# KiCad board FlightComputer.kicad_pcb
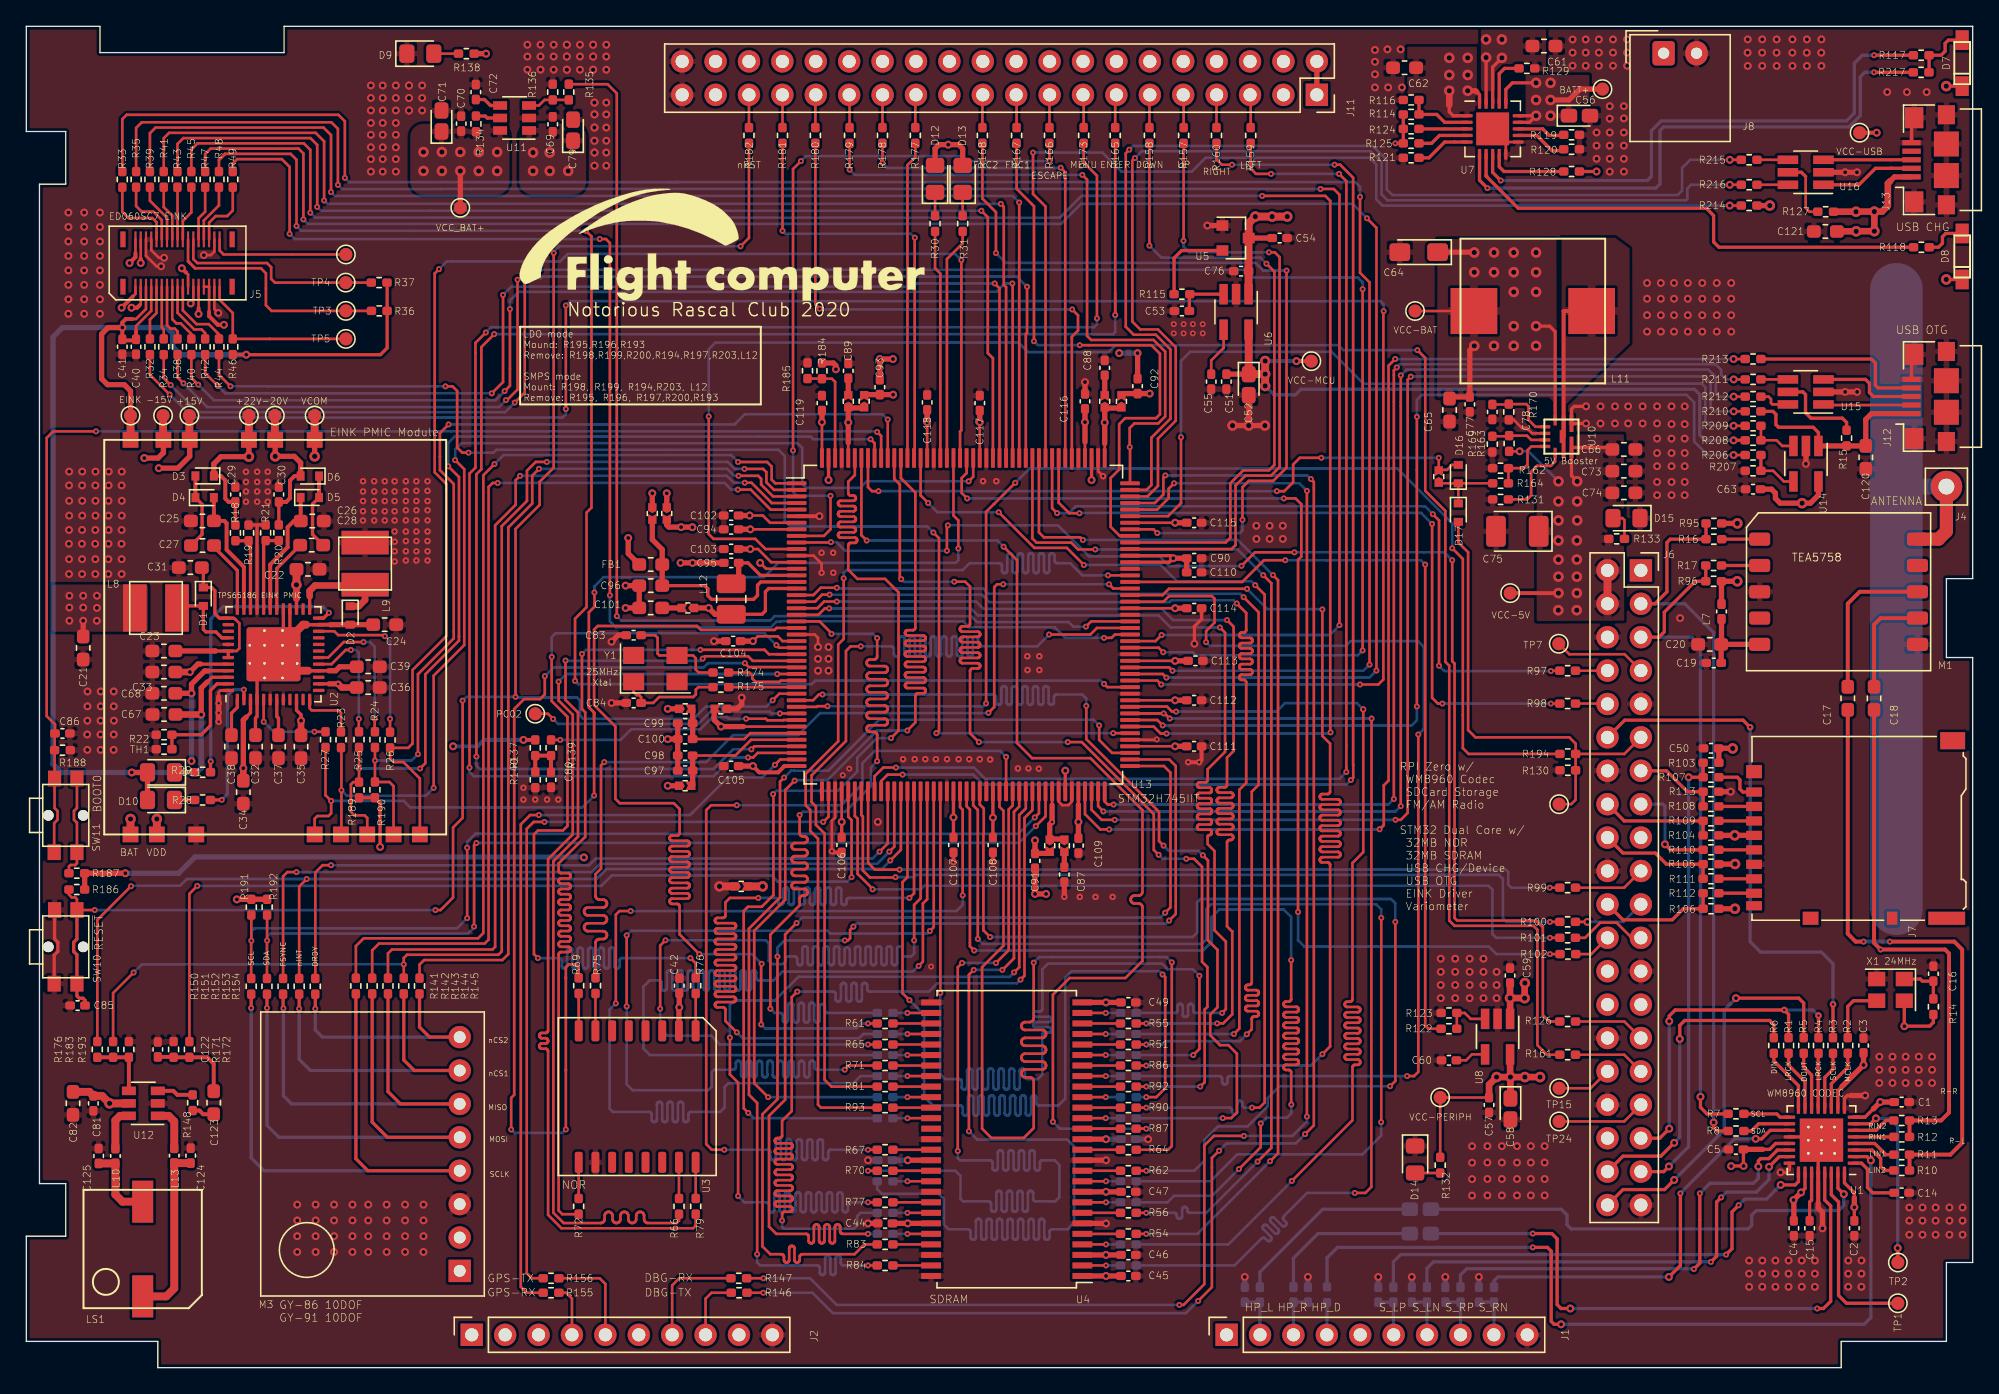
[diagram p0: board, top side]
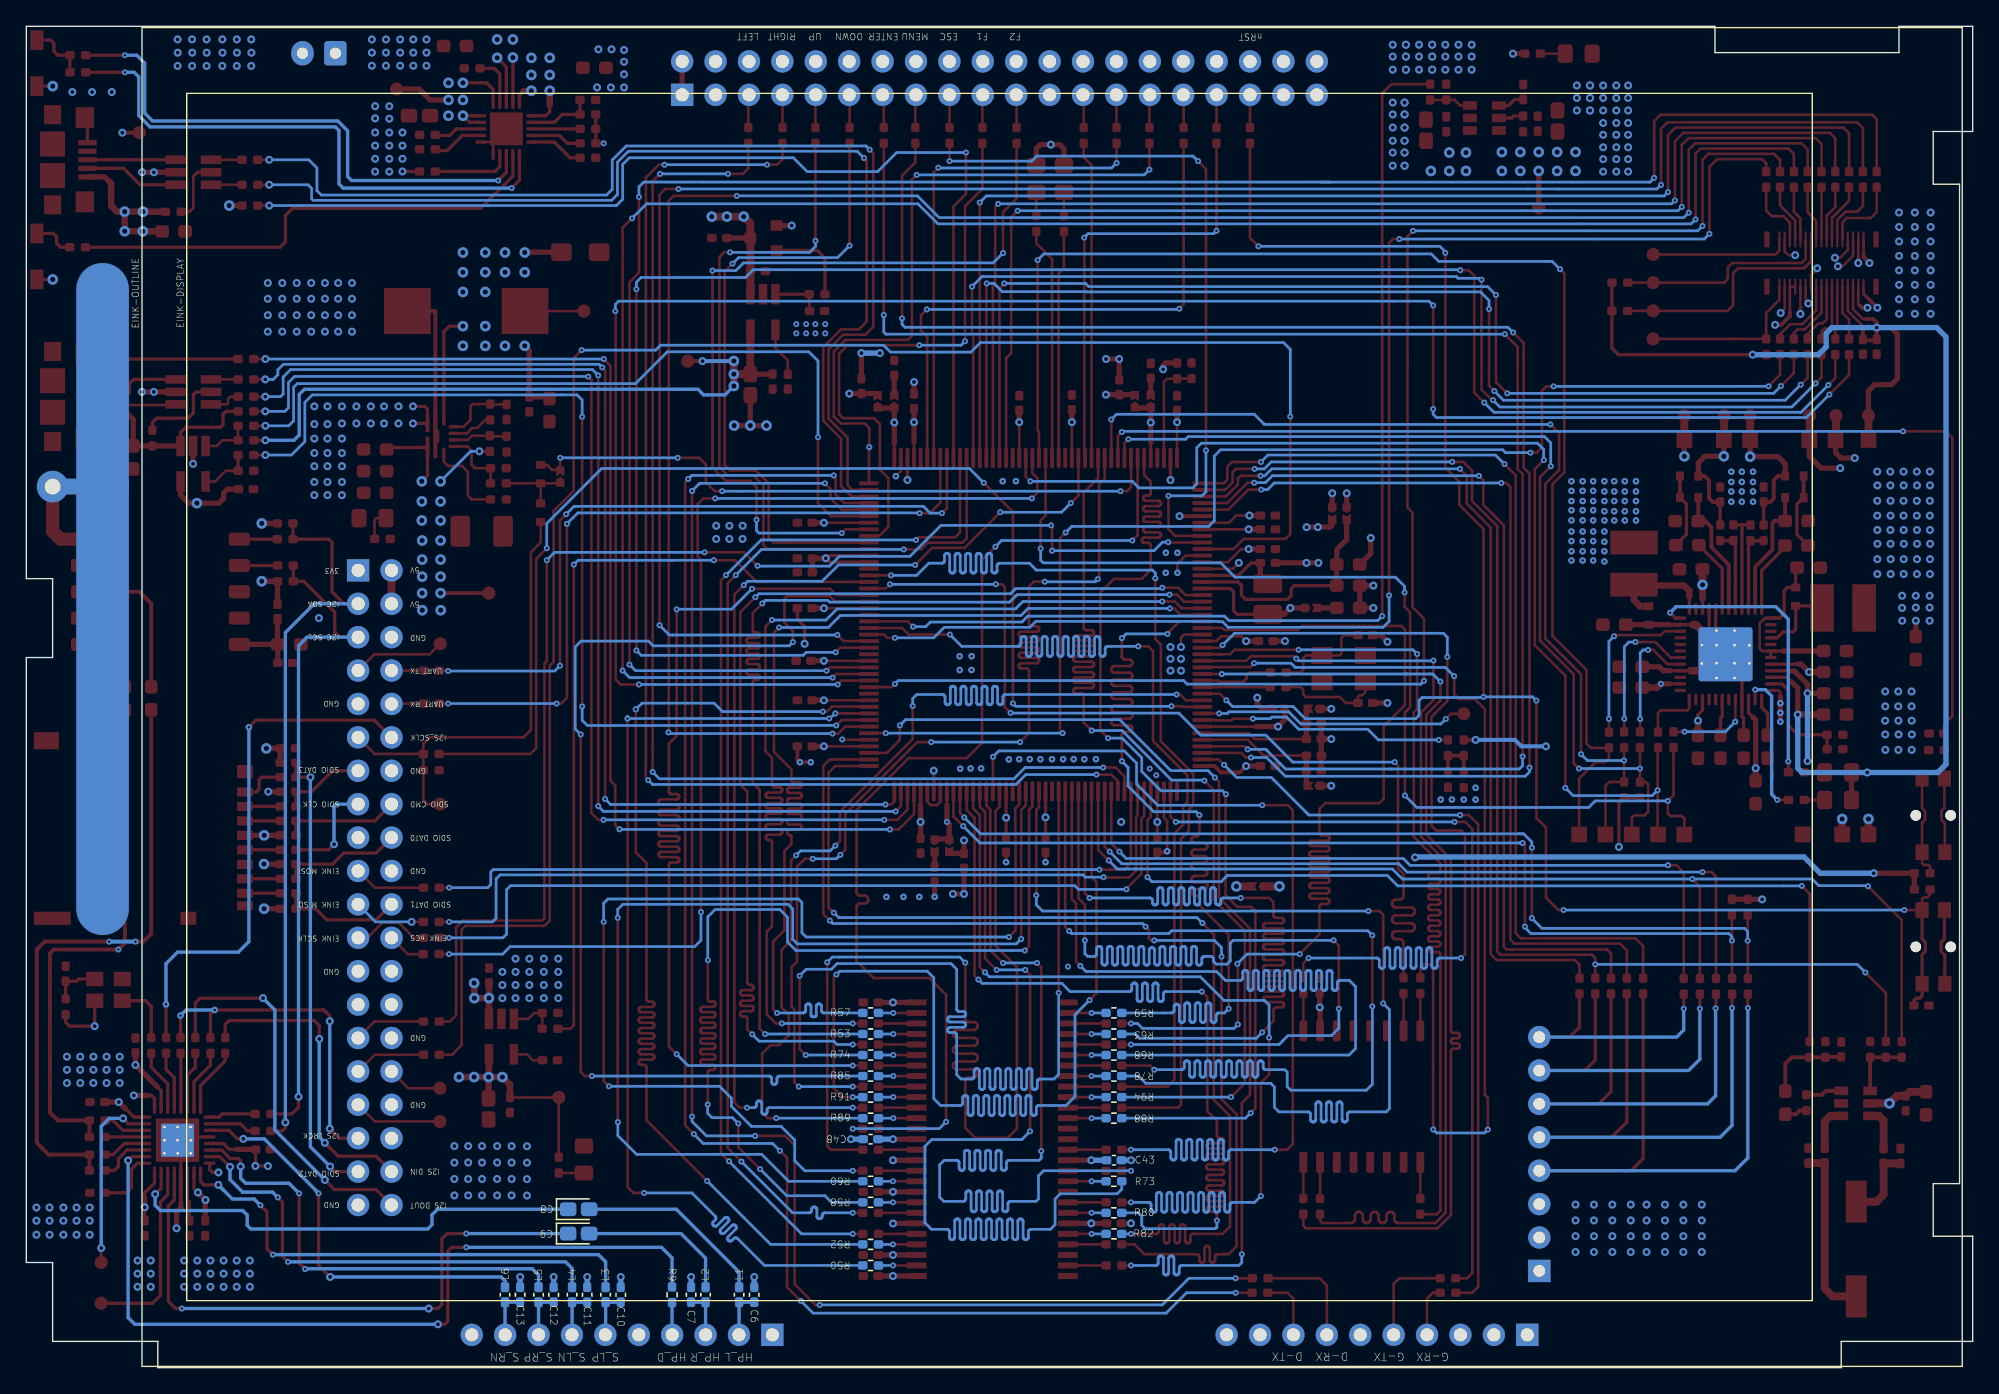
[diagram p1: board, bottom side, seen from below]

Outline 148 x 102 mm; copper layers: Top, In1.Cu, In2.Cu, Bottom. Coordinates in mm from the lower left corner of the outline.
Outline path: 0,102 0,94 3,94 3,90 1,90 1,14 3,14 3,10 0,10 0,2 10,2 10,0 138,0 138,2 146,2 146,8 148,8 148,54 146,54 146,60 148,60 148,102 19.6,102 19.6,100 5.6,100 5.6,102 0,102

## Placement (name value [footprint] x y rotation side)
C1  0.1uF  [C_0402_1005Metric_Pad0.74x0.62mm_HandSolder]  142.6 20.2 0 top
C2  0.1uF  [C_0402_1005Metric_Pad0.74x0.62mm_HandSolder]  139 10.6 270 top
C3  0.1uF  [C_0402_1005Metric_Pad0.74x0.62mm_HandSolder]  139.7 24.5 90 top
C4  4.7uF  [C_0402_1005Metric_Pad0.74x0.62mm_HandSolder]  134.4 10.6 270 top
C5  4.7uF  [C_0402_1005Metric_Pad0.74x0.62mm_HandSolder]  130 16.6 180 top
C6  220pF  [C_0402_1005Metric_Pad0.74x0.62mm_HandSolder]  92.65 5.55 90 bottom
C7  220pF  [C_0402_1005Metric_Pad0.74x0.62mm_HandSolder]  97.45 5.55 90 bottom
C8  10uF  [CP_EIA-1608-08_AVX-J_Pad1.25x1.05mm_HandSolder]  106 12.05 180 bottom
C9  10uF  [CP_EIA-1608-08_AVX-J_Pad1.25x1.05mm_HandSolder]  106 10.2 180 bottom
C10  220pF  [C_0402_1005Metric_Pad0.74x0.62mm_HandSolder]  102.8 5.55 90 bottom
C11  220pF  [C_0402_1005Metric_Pad0.74x0.62mm_HandSolder]  105.35 5.55 90 bottom
C12  220pF  [C_0402_1005Metric_Pad0.74x0.62mm_HandSolder]  107.9 5.55 90 bottom
C13  220pF  [C_0402_1005Metric_Pad0.74x0.62mm_HandSolder]  110.45 5.55 90 bottom
C14  4.7uF  [C_0402_1005Metric_Pad0.74x0.62mm_HandSolder]  142.6 13.3 0 top
C15  4.7uF  [C_0402_1005Metric_Pad0.74x0.62mm_HandSolder]  135.6 10.6 90 top
C16  0.1uF  [C_0402_1005Metric_Pad0.74x0.62mm_HandSolder]  145.01 29.96 270 top
C17  10uF  [C_0603_1608Metric_Pad1.05x0.95mm_HandSolder]  138.5 50.9 270 top
C18  10uF  [C_0603_1608Metric_Pad1.05x0.95mm_HandSolder]  140.5 50.9 270 top
C19  0.1uF  [C_0402_1005Metric_Pad0.74x0.62mm_HandSolder]  128.31 53.59 180 top
C20  10uF  [C_0603_1608Metric_Pad1.05x0.95mm_HandSolder]  128 55 180 top
C21  10uF  [C_0603_1608Metric_Pad1.05x0.95mm_HandSolder]  4.33 54.73 270 top
C22  10uF  [C_0603_1608Metric_Pad1.05x0.95mm_HandSolder]  21.42 60.71 180 top
C23  4.7uF  [C_0603_1608Metric_Pad1.05x0.95mm_HandSolder]  10.46 54.5 180 top
C24  4.7uF  [C_0603_1608Metric_Pad1.05x0.95mm_HandSolder]  27.25 56.5 180 top
C25  0.1uF  [C_0603_1608Metric_Pad1.05x0.95mm_HandSolder]  13.39 64.39 180 top
C26  0.1uF  [C_0603_1608Metric_Pad1.05x0.95mm_HandSolder]  21.74 64.38 180 top
C27  0.01uF  [C_0603_1608Metric_Pad1.05x0.95mm_HandSolder]  13.4 62.52 180 top
C28  0.01uF  [C_0603_1608Metric_Pad1.05x0.95mm_HandSolder]  21.7 62.55 180 top
C29  2.2uF  [C_0402_1005Metric_Pad0.74x0.62mm_HandSolder]  15.9 66.4 270 top
C30  2.2uF  [C_0402_1005Metric_Pad0.74x0.62mm_HandSolder]  19.2 66.4 90 top
C31  4.7uF  [C_0603_1608Metric_Pad1.05x0.95mm_HandSolder]  12.47 60.84 180 top
C32  4.7uF  [C_0603_1608Metric_Pad1.05x0.95mm_HandSolder]  17.43 47.23 90 top
C33  4.7uF  [C_0603_1608Metric_Pad1.05x0.95mm_HandSolder]  10.46 52.9 180 top
C34  4.7uF  [C_0603_1608Metric_Pad1.05x0.95mm_HandSolder]  16.5 43.76 90 top
C35  10uF  [C_0603_1608Metric_Pad1.05x0.95mm_HandSolder]  20.89 47.22 270 top
C36  4.7uF  [C_0603_1608Metric_Pad1.05x0.95mm_HandSolder]  26 51.72 0 top
C37  4.7uF  [C_0603_1608Metric_Pad1.05x0.95mm_HandSolder]  19.18 47.23 90 top
C38  4.7uF  [C_0603_1608Metric_Pad1.05x0.95mm_HandSolder]  15.6 47.23 90 top
C39  4.7uF  [C_0603_1608Metric_Pad1.05x0.95mm_HandSolder]  26 53.3 180 top
C40  1uF  [C_0402_1005Metric_Pad0.74x0.62mm_HandSolder]  8.34 77.63 270 top
C41  0.1uF  [C_0402_1005Metric_Pad0.74x0.62mm_HandSolder]  7.3 77.63 270 top
C42  0.1uF  [C_0402_1005Metric_Pad0.74x0.62mm_HandSolder]  49.65 29.05 90 top
C43  0.1uF  [C_0402_1005Metric_Pad0.74x0.62mm_HandSolder]  65.3 15.78 0 bottom
C44  0.1uF  [C_0402_1005Metric_Pad0.74x0.62mm_HandSolder]  65.3 10.97 0 top
C45  0.1uF  [C_0402_1005Metric_Pad0.74x0.62mm_HandSolder]  83.8 6.97 180 top
C46  0.1uF  [C_0402_1005Metric_Pad0.74x0.62mm_HandSolder]  83.8 8.58 180 top
C47  0.1uF  [C_0402_1005Metric_Pad0.74x0.62mm_HandSolder]  83.8 13.38 180 top
C48  0.1uF  [C_0402_1005Metric_Pad0.74x0.62mm_HandSolder]  83.8 17.38 180 bottom
C49  0.1uF  [C_0402_1005Metric_Pad0.74x0.62mm_HandSolder]  83.8 27.78 180 top
C50  0.1uF  [C_0402_1005Metric_Pad0.74x0.62mm_HandSolder]  128.1 47.1 0 top
C51  0.1uF  [C_0402_1005Metric_Pad0.74x0.62mm_HandSolder]  91.25 74.98 270 top
C52  10uF  [CP_EIA-1608-08_AVX-J_Pad1.25x1.05mm_HandSolder]  92.95 74.75 270 top
C53  1uF  [C_0402_1005Metric_Pad0.74x0.62mm_HandSolder]  87.87 80.35 180 top
C54  1uF  [C_0402_1005Metric_Pad0.74x0.62mm_HandSolder]  95.3 85.9 0 top
C55  N/C  [C_0402_1005Metric_Pad0.74x0.62mm_HandSolder]  90.1 74.98 270 top
C56  10uF  [CP_EIA-1608-08_AVX-J_Pad1.25x1.05mm_HandSolder]  118.1 95.2 0 top
C57  0.1uF  [C_0402_1005Metric_Pad0.74x0.62mm_HandSolder]  111.22 19.97 270 top
C58  10uF  [CP_EIA-1608-08_AVX-J_Pad1.25x1.05mm_HandSolder]  112.85 19.67 270 top
C59  1uF  [C_0402_1005Metric_Pad0.74x0.62mm_HandSolder]  112.82 29.82 90 top
C60  N/C  [C_0402_1005Metric_Pad0.74x0.62mm_HandSolder]  108.17 23.38 180 top
C61  10uF  [C_0603_1608Metric_Pad1.05x0.95mm_HandSolder]  115.4 100.5 0 top
C62  4.7uF  [C_0603_1608Metric_Pad1.05x0.95mm_HandSolder]  104.8 98.85 180 top
C63  2.2uF  [C_0402_1005Metric_Pad0.74x0.62mm_HandSolder]  131.3 66.8 180 top
C64  100uF  [CP_EIA-3216-10_Kemet-I_Pad1.58x1.35mm_HandSolder]  105.88 84.83 180 top
C65  10uF  [C_0603_1608Metric_Pad1.05x0.95mm_HandSolder]  108.22 72.82 270 top
C66  22uF  [C_0603_1608Metric_Pad1.05x0.95mm_HandSolder]  121.47 69.83 0 top
C67  4.7uF  [C_0603_1608Metric_Pad1.05x0.95mm_HandSolder]  10.47 49.67 0 top
C68  4.7uF  [C_0603_1608Metric_Pad1.05x0.95mm_HandSolder]  10.46 51.28 0 top
C69  1uF  [C_0402_1005Metric_Pad0.74x0.62mm_HandSolder]  40.03 94.55 90 top
C70  0.1uF  [C_0402_1005Metric_Pad0.74x0.62mm_HandSolder]  33.07 94.6 90 top
C71  10uF  [CP_EIA-1608-08_AVX-J_Pad1.25x1.05mm_HandSolder]  31.57 94.8 90 top
C72  N/C  [C_0402_1005Metric_Pad0.74x0.62mm_HandSolder]  34.18 97 90 top
C73  22uF  [C_0603_1608Metric_Pad1.05x0.95mm_HandSolder]  121.47 68.17 0 top
C74  22uF  [C_0603_1608Metric_Pad1.05x0.95mm_HandSolder]  121.47 66.53 0 top
C75  100uF  [CP_EIA-3528-15_AVX-H_Pad1.50x2.35mm_HandSolder]  113.38 63.6 180 top
C76  0.1uF  [C_0402_1005Metric_Pad0.74x0.62mm_HandSolder]  92.37 83.38 180 top
C77  1uF  [C_0402_1005Metric_Pad0.74x0.62mm_HandSolder]  109.76 73.25 270 top
C78  10nF  [C_0402_1005Metric_Pad0.74x0.62mm_HandSolder]  111.47 72.67 270 top
C79  10uF  [CP_EIA-1608-08_AVX-J_Pad1.25x1.05mm_HandSolder]  41.57 94.1 90 top
C80  0.1uF  [C_0402_1005Metric_Pad0.74x0.62mm_HandSolder]  39.9 44.7 270 top
C81  0.1uF  [C_0402_1005Metric_Pad0.74x0.62mm_HandSolder]  5.1 20.1 270 top
C82  10uF  [C_0603_1608Metric_Pad1.05x0.95mm_HandSolder]  3.55 20.1 270 top
C83  18pF  [C_0402_1005Metric_Pad0.74x0.62mm_HandSolder]  46.18 55.7 180 top
C84  18pF  [C_0402_1005Metric_Pad0.74x0.62mm_HandSolder]  46.18 50.55 180 top
C85  0.1uF  [C_0402_1005Metric_Pad0.74x0.62mm_HandSolder]  3.9 27.54 180 top
C86  0.1uF  [C_0402_1005Metric_Pad0.74x0.62mm_HandSolder]  2.75 48.23 0 top
C87  0.1uF  [C_0402_1005Metric_Pad0.74x0.62mm_HandSolder]  78.93 37.5 270 top
C88  0.1uF  [C_0402_1005Metric_Pad0.74x0.62mm_HandSolder]  82 76.03 90 top
C89  0.1uF  [C_0402_1005Metric_Pad0.74x0.62mm_HandSolder]  62.5 75.8 90 top
C90  1uF  [C_0402_1005Metric_Pad0.74x0.62mm_HandSolder]  88.8 61.55 0 top
C91  4.7uF  [C_0402_1005Metric_Pad0.74x0.62mm_HandSolder]  76.7 38.54 90 top
C92  4.7uF  [C_0402_1005Metric_Pad0.74x0.62mm_HandSolder]  84.5 74.64 270 top
C93  4.7uF  [C_0402_1005Metric_Pad0.74x0.62mm_HandSolder]  64.9 74.56 270 top
C94  0.1uF  [C_0402_1005Metric_Pad0.74x0.62mm_HandSolder]  53.6 63.75 180 top
C95  220pF  [C_0402_1005Metric_Pad0.74x0.62mm_HandSolder]  53.6 61.2 180 top
C96  10uF  [C_0603_1608Metric_Pad1.05x0.95mm_HandSolder]  47.48 59.47 180 top
C97  1uF  [C_0402_1005Metric_Pad0.74x0.62mm_HandSolder]  50.1 45.4 180 top
C98  0.1uF  [C_0402_1005Metric_Pad0.74x0.62mm_HandSolder]  50.1 46.55 180 top
C99  1uF  [C_0402_1005Metric_Pad0.74x0.62mm_HandSolder]  50.1 49 180 top
C100  0.1uF  [C_0402_1005Metric_Pad0.74x0.62mm_HandSolder]  50.1 47.8 180 top
C101  10uF  [C_0603_1608Metric_Pad1.05x0.95mm_HandSolder]  47.48 57.77 180 top
C102  0.1uF  [C_0402_1005Metric_Pad0.74x0.62mm_HandSolder]  53.59 64.8 180 top
C103  0.1uF  [C_0402_1005Metric_Pad0.74x0.62mm_HandSolder]  53.6 62.25 180 top
C104  0.1uF  [C_0402_1005Metric_Pad0.74x0.62mm_HandSolder]  53.75 55.25 180 top
C105  0.1uF  [C_0402_1005Metric_Pad0.74x0.62mm_HandSolder]  53.6 45.75 180 top
C106  0.1uF  [C_0402_1005Metric_Pad0.74x0.62mm_HandSolder]  62 39.75 270 top
C107  0.1uF  [C_0402_1005Metric_Pad0.74x0.62mm_HandSolder]  70.5 39.75 270 top
C108  0.1uF  [C_0402_1005Metric_Pad0.74x0.62mm_HandSolder]  73.5 39.75 270 top
C109  0.1uF  [C_0402_1005Metric_Pad0.74x0.62mm_HandSolder]  80 39.7 270 top
C110  4.7uF  [C_0402_1005Metric_Pad0.74x0.62mm_HandSolder]  88.8 60.48 0 top
C111  0.1uF  [C_0402_1005Metric_Pad0.74x0.62mm_HandSolder]  88.8 47.25 0 top
C112  0.1uF  [C_0402_1005Metric_Pad0.74x0.62mm_HandSolder]  88.8 50.75 0 top
C113  0.1uF  [C_0402_1005Metric_Pad0.74x0.62mm_HandSolder]  88.9 53.75 0 top
C114  0.1uF  [C_0402_1005Metric_Pad0.74x0.62mm_HandSolder]  88.8 57.75 0 top
C115  0.1uF  [C_0402_1005Metric_Pad0.74x0.62mm_HandSolder]  88.8 64.25 0 top
C116  0.1uF  [C_0402_1005Metric_Pad0.74x0.62mm_HandSolder]  80.5 73.48 90 top
C117  0.1uF  [C_0402_1005Metric_Pad0.74x0.62mm_HandSolder]  72.5 73.35 90 top
C118  0.1uF  [C_0402_1005Metric_Pad0.74x0.62mm_HandSolder]  68.5 73.4 90 top
C119  0.1uF  [C_0402_1005Metric_Pad0.74x0.62mm_HandSolder]  60.5 73.35 90 top
C120  10uF  [C_0603_1608Metric_Pad1.05x0.95mm_HandSolder]  139.87 69.22 270 top
C121  10uF  [C_0603_1608Metric_Pad1.05x0.95mm_HandSolder]  136.8 86.4 180 top
C122  0.47uF  [C_0402_1005Metric_Pad0.74x0.62mm_HandSolder]  10 24.2 90 top
C123  10uF  [C_0603_1608Metric_Pad1.05x0.95mm_HandSolder]  14.25 20.15 90 top
C124  220pF  [C_0402_1005Metric_Pad0.74x0.62mm_HandSolder]  12.5 16.12 90 top
C125  220pF  [C_0402_1005Metric_Pad0.74x0.62mm_HandSolder]  5.5 16.1 90 top
D1  MBR130T1G  [D_SOD-523]  13.46 58.63 270 top
D2  MBR130T1G  [D_SOD-523]  24.63 57.2 270 top
D3  RB531SM  [D_SOD-523]  13.56 67.81 180 top
D4  RB531SM  [D_SOD-523]  13.56 66.16 0 top
D5  RB531SM  [D_SOD-523]  21.56 66.17 0 top
D6  BAT54-SOT23  [D_SOD-523]  21.56 67.8 180 top
D7  LED_R  [SML-LXR85GC-TR]  147.2 99.2 270 top
D8  LED_G  [SML-LXR85GC-TR]  147.2 84.5 270 top
D9  LED_G  [D_0805_2012Metric_Pad1.15x1.40mm_HandSolder]  29.96 99.92 0 top
D10  LED_R  [LED_0805_2012Metric_Pad1.15x1.40mm_HandSolder]  10.24 43.17 180 top
D11  LED_R  [LED_0805_2012Metric_Pad1.15x1.40mm_HandSolder]  10.24 45.27 180 top
D12  LED_R  [LED_0805_2012Metric_Pad1.15x1.40mm_HandSolder]  69.1 90.4 90 top
D13  LED_G  [LED_0805_2012Metric_Pad1.15x1.40mm_HandSolder]  71.2 90.4 90 top
D14  LED_G  [D_0805_2012Metric_Pad1.15x1.40mm_HandSolder]  105.6 15.83 270 top
D15  LED_G  [D_0805_2012Metric_Pad1.15x1.40mm_HandSolder]  121.67 64.6 180 top
D16  BAT54-SOT23  [D_SOD-523]  108.89 67.95 90 top
D17  BAT54-SOT23  [D_SOD-523]  108.89 65.02 270 top
FB1  BEAD(BMJ1608HM180NTR)  [L_0603_1608Metric_Pad1.05x0.95mm_HandSolder]  47.48 61.08 0 top
G***  LOGO  [LOGO-FC]  52.98 85.28 0 top
J1  Conn_01x10  [PinSocket_1x10_P2.54mm_Vertical]  91.27 2.5 90 top
J2  Conn_01x10  [PinSocket_1x10_P2.54mm_Vertical]  33.87 2.5 90 top
J4  Conn_01x01  [Pin_D1.2mm_L10.2mm_W2.9mm_FlatFork]  146 67 0 top
J5  ED060SC7_EPD  [AXT334124]  11.5 84 180 top
J6  RPI_Connector  [PinSocket_2x20_P2.54mm_Vertical]  122.77 60.63 0 top
J7  Micro_SD_Card  [microSD_HC_Hirose_DM3AT-SF-PEJM5]  139.1 41 90 top
J8  Conn_01x02  [Molex_SPOX_5268-02A_1x02_P2.50mm_Horizontal]  124.5 99.95 0 top
J11  Conn_02x20_Odd_Even  [PinSocket_2x20_P2.54mm_Vertical]  98.13 96.79 270 top
J12  USB_B_Micro  [USB_Micro-B_TE-1981568-1]  146 73.85 90 top
J13  USB_B_Micro  [USB_Micro-B_TE-1981568-1]  146 91.85 90 top
JP1  R193A  [Jumper_0402_1005Metric]  47.6 64.95 90 top
JP2  R194A  [Jumper_0402_1005Metric]  48.7 64.95 90 top
JP3  R195A  [Jumper_0402_1005Metric]  78.93 39.69 90 top
JP4  R196A  [Jumper_0402_1005Metric]  82 73.48 270 top
JP5  R197A  [Jumper_0402_1005Metric]  62.5 73.49 270 top
JP6  R198A  [Jumper_0402_1005Metric]  77.82 39.69 90 top
JP7  R199A  [Jumper_0402_1005Metric]  83.27 73.48 270 top
JP8  R200A  [Jumper_0402_1005Metric]  63.71 73.49 270 top
JP9  R201A  [Jumper_0402_1005Metric]  50.1 44.25 180 top
JP10  R202A  [Jumper_0402_1005Metric]  50.1 50.1 180 top
JP11  R203A  [Jumper_0402_1005Metric]  50.3 57.77 0 top
JP12  R204A  [Jumper_0402_1005Metric]  52.81 50.1 0 top
JP13  R205A  [Jumper_0402_1005Metric]  54.36 36.6 180 top
JP14  BYPASS  [Jumper_0402_1005Metric]  107.4 67.76 270 top
L1  Ferrite  [L_0402_1005Metric_Pad0.77x0.64mm_HandSolder]  93.8 5.55 270 bottom
L2  Ferrite  [L_0402_1005Metric_Pad0.77x0.64mm_HandSolder]  96.35 5.55 270 bottom
L3  Ferrite  [L_0402_1005Metric_Pad0.77x0.64mm_HandSolder]  103.95 5.55 270 bottom
L4  Ferrite  [L_0402_1005Metric_Pad0.77x0.64mm_HandSolder]  106.5 5.55 270 bottom
L5  Ferrite  [L_0402_1005Metric_Pad0.77x0.64mm_HandSolder]  109.05 5.55 270 bottom
L6  Ferrite  [L_0402_1005Metric_Pad0.77x0.64mm_HandSolder]  111.6 5.55 270 bottom
L7  Ferrite  [L_0402_1005Metric_Pad0.77x0.64mm_HandSolder]  128.9 57.5 270 top
L8  2.2uH  [L_1515(4040 metric)]  9.86 57.77 180 top
L9  4.7uH  [L_1515(4040 metric)]  25.76 61.14 270 top
L10  Ferrite  [L_0402_1005Metric_Pad0.77x0.64mm_HandSolder]  6.78 16.1 270 top
L11  1.0uH  [SRP1038C-1R0M]  114.55 80.35 0 top
L12  2.2uH (LQM2MPN2R2NG0)  [L_1008_2520Metric_Pad1.43x2.20mm_HandSolder]  53.6 58.45 90 top
L13  Ferrite  [L_0402_1005Metric_Pad0.77x0.64mm_HandSolder]  11.25 16.12 270 top
LS1  Speaker  [SMT-0927-S-12-R]  8.85 9.03 0 top
M1  TEA5767_Radio_Module  [TEA5756-TJ-102BC]  137.8 59 180 top
M3  GY-86 / GY-91  [GY-86]  26.32 16.25 180 top
R1  33R  [R_0402_1005Metric_Pad0.72x0.64mm_HandSolder]  134 24.5 90 top
R2  33R  [R_0402_1005Metric_Pad0.72x0.64mm_HandSolder]  138.5 24.5 90 top
R3  33R  [R_0402_1005Metric_Pad0.72x0.64mm_HandSolder]  137.38 24.5 90 top
R4  33R  [R_0402_1005Metric_Pad0.72x0.64mm_HandSolder]  136.28 24.5 90 top
R5  33R  [R_0402_1005Metric_Pad0.72x0.64mm_HandSolder]  135.15 24.5 90 top
R6  33R  [R_0402_1005Metric_Pad0.72x0.64mm_HandSolder]  132.88 24.5 90 top
R7  33R  [R_0402_1005Metric_Pad0.72x0.64mm_HandSolder]  130 19.3 180 top
R8  33R  [R_0402_1005Metric_Pad0.72x0.64mm_HandSolder]  130 18 180 top
R9  33R  [R_0402_1005Metric_Pad0.72x0.64mm_HandSolder]  98.9 5.55 270 bottom
R10  33R  [R_0402_1005Metric_Pad0.72x0.64mm_HandSolder]  142.6 15 0 top
R11  N/C  [R_0402_1005Metric_Pad0.72x0.64mm_HandSolder]  142.6 16.2 0 top
R12  N/C  [R_0402_1005Metric_Pad0.72x0.64mm_HandSolder]  142.6 17.55 0 top
R13  33R  [R_0402_1005Metric_Pad0.72x0.64mm_HandSolder]  142.6 18.8 0 top
R14  10K  [R_0402_1005Metric_Pad0.72x0.64mm_HandSolder]  145.01 27.45 270 top
R15  0R  [R_0402_1005Metric_Pad0.72x0.64mm_HandSolder]  138.41 70.69 90 top
R16  33R  [R_0402_1005Metric_Pad0.72x0.64mm_HandSolder]  128.32 63 180 top
R17  33R  [R_0402_1005Metric_Pad0.72x0.64mm_HandSolder]  128.3 61 180 top
R18  1M  [R_0402_1005Metric_Pad0.72x0.64mm_HandSolder]  15.9 63.48 270 top
R19  47.5K  [R_0402_1005Metric_Pad0.72x0.64mm_HandSolder]  16.9 63.48 270 top
R20  1M  [R_0402_1005Metric_Pad0.72x0.64mm_HandSolder]  19.2 63.49 90 top
R21  52.3K  [R_0402_1005Metric_Pad0.72x0.64mm_HandSolder]  18.2 63.49 90 top
R22  43K  [R_0402_1005Metric_Pad0.72x0.64mm_HandSolder]  10.47 48.13 0 top
R23  33R  [R_0402_1005Metric_Pad0.72x0.64mm_HandSolder]  23.93 47.75 90 top
R24  33R  [R_0402_1005Metric_Pad0.72x0.64mm_HandSolder]  26.51 47.76 90 top
R25  33R  [R_0402_1005Metric_Pad0.72x0.64mm_HandSolder]  25.3 47.76 90 top
R26  33R  [R_0402_1005Metric_Pad0.72x0.64mm_HandSolder]  27.66 47.73 90 top
R27  33R  [R_0402_1005Metric_Pad0.72x0.64mm_HandSolder]  22.75 47.76 90 top
R28  1K  [R_0402_1005Metric_Pad0.72x0.64mm_HandSolder]  13.4 43.17 180 top
R29  1K  [R_0402_1005Metric_Pad0.72x0.64mm_HandSolder]  13.41 45.28 180 top
R30  1K  [R_0402_1005Metric_Pad0.72x0.64mm_HandSolder]  69.1 87 90 top
R31  1K  [R_0402_1005Metric_Pad0.72x0.64mm_HandSolder]  71.2 87 90 top
R32  33R  [R_0402_1005Metric_Pad0.72x0.64mm_HandSolder]  9.4 77.63 90 top
R33  33R  [R_0402_1005Metric_Pad0.72x0.64mm_HandSolder]  7.3 90.36 90 top
R34  33R  [R_0402_1005Metric_Pad0.72x0.64mm_HandSolder]  10.45 77.63 90 top
R35  33R  [R_0402_1005Metric_Pad0.72x0.64mm_HandSolder]  8.35 90.36 90 top
R36  10K  [R_0402_1005Metric_Pad0.72x0.64mm_HandSolder]  26.84 80.36 180 top
R37  10K  [R_0402_1005Metric_Pad0.72x0.64mm_HandSolder]  26.83 82.51 180 top
R38  33R  [R_0402_1005Metric_Pad0.72x0.64mm_HandSolder]  11.5 77.63 90 top
R39  33R  [R_0402_1005Metric_Pad0.72x0.64mm_HandSolder]  9.4 90.36 90 top
R40  33R  [R_0402_1005Metric_Pad0.72x0.64mm_HandSolder]  12.55 77.63 90 top
R41  33R  [R_0402_1005Metric_Pad0.72x0.64mm_HandSolder]  10.45 90.36 90 top
R42  33R  [R_0402_1005Metric_Pad0.72x0.64mm_HandSolder]  13.6 77.63 90 top
R43  33R  [R_0402_1005Metric_Pad0.72x0.64mm_HandSolder]  11.49 90.36 90 top
R44  33R  [R_0402_1005Metric_Pad0.72x0.64mm_HandSolder]  14.65 77.63 90 top
R45  33R  [R_0402_1005Metric_Pad0.72x0.64mm_HandSolder]  12.55 90.36 90 top
R46  10K  [R_0402_1005Metric_Pad0.72x0.64mm_HandSolder]  15.7 77.63 90 top
R47  33R  [R_0402_1005Metric_Pad0.72x0.64mm_HandSolder]  13.6 90.36 90 top
R48  33R  [R_0402_1005Metric_Pad0.72x0.64mm_HandSolder]  14.65 90.36 90 top
R49  33R  [R_0402_1005Metric_Pad0.72x0.64mm_HandSolder]  15.7 90.36 90 top
R50  33R  [R_0402_1005Metric_Pad0.72x0.64mm_HandSolder]  83.8 7.78 180 bottom
R51  33R  [R_0402_1005Metric_Pad0.72x0.64mm_HandSolder]  83.8 24.58 0 top
R52  33R  [R_0402_1005Metric_Pad0.72x0.64mm_HandSolder]  83.8 9.38 180 bottom
R53  33R  [R_0402_1005Metric_Pad0.72x0.64mm_HandSolder]  83.8 25.38 0 bottom
R54  33R  [R_0402_1005Metric_Pad0.72x0.64mm_HandSolder]  83.8 10.17 180 top
R55  33R  [R_0402_1005Metric_Pad0.72x0.64mm_HandSolder]  83.8 26.17 0 top
R56  33R  [R_0402_1005Metric_Pad0.72x0.64mm_HandSolder]  83.8 11.78 180 top
R57  33R  [R_0402_1005Metric_Pad0.72x0.64mm_HandSolder]  83.8 26.97 0 bottom
R58  33R  [R_0402_1005Metric_Pad0.72x0.64mm_HandSolder]  83.8 12.58 180 bottom
R59  33R  [R_0402_1005Metric_Pad0.72x0.64mm_HandSolder]  65.3 26.97 180 bottom
R60  33R  [R_0402_1005Metric_Pad0.72x0.64mm_HandSolder]  83.8 14.17 180 bottom
R61  33R  [R_0402_1005Metric_Pad0.72x0.64mm_HandSolder]  65.3 26.17 180 top
R62  33R  [R_0402_1005Metric_Pad0.72x0.64mm_HandSolder]  83.8 14.97 180 top
R63  33R  [R_0402_1005Metric_Pad0.72x0.64mm_HandSolder]  65.3 25.38 180 bottom
R64  33R  [R_0402_1005Metric_Pad0.72x0.64mm_HandSolder]  83.8 16.58 180 top
R65  33R  [R_0402_1005Metric_Pad0.72x0.64mm_HandSolder]  65.3 24.58 180 top
R66  33R  [R_0402_1005Metric_Pad0.72x0.64mm_HandSolder]  49.63 12.27 270 top
R67  33R  [R_0402_1005Metric_Pad0.72x0.64mm_HandSolder]  65.3 16.58 0 top
R68  33R  [R_0402_1005Metric_Pad0.72x0.64mm_HandSolder]  65.3 23.78 180 bottom
R69  33R  [R_0402_1005Metric_Pad0.72x0.64mm_HandSolder]  42 29.05 90 top
R70  33R  [R_0402_1005Metric_Pad0.72x0.64mm_HandSolder]  65.3 14.97 0 top
R71  33R  [R_0402_1005Metric_Pad0.72x0.64mm_HandSolder]  65.3 22.97 180 top
R72  33R  [R_0402_1005Metric_Pad0.72x0.64mm_HandSolder]  42 12.27 270 top
R73  33R  [R_0402_1005Metric_Pad0.72x0.64mm_HandSolder]  65.3 14.17 0 bottom
R74  33R  [R_0402_1005Metric_Pad0.72x0.64mm_HandSolder]  83.8 23.78 0 bottom
R75  33R  [R_0402_1005Metric_Pad0.72x0.64mm_HandSolder]  43.28 29.05 270 top
R76  33R  [R_0402_1005Metric_Pad0.72x0.64mm_HandSolder]  50.9 29.05 90 top
R77  33R  [R_0402_1005Metric_Pad0.72x0.64mm_HandSolder]  65.3 12.58 0 top
R78  33R  [R_0402_1005Metric_Pad0.72x0.64mm_HandSolder]  65.3 22.17 180 bottom
R79  33R  [R_0402_1005Metric_Pad0.72x0.64mm_HandSolder]  50.9 12.27 90 top